# Altium PCB pcb.PcbDoc
Units mm, origin at the board's own origin, x right, y up, seen from the top; angles counter-clockwise.
Board outline 100 x 60 mm, 2 copper layers (Top Layer, Bottom Layer), stack 1.58 mm thick; 56 components, 31 nets, 148 pads, 75 vias.
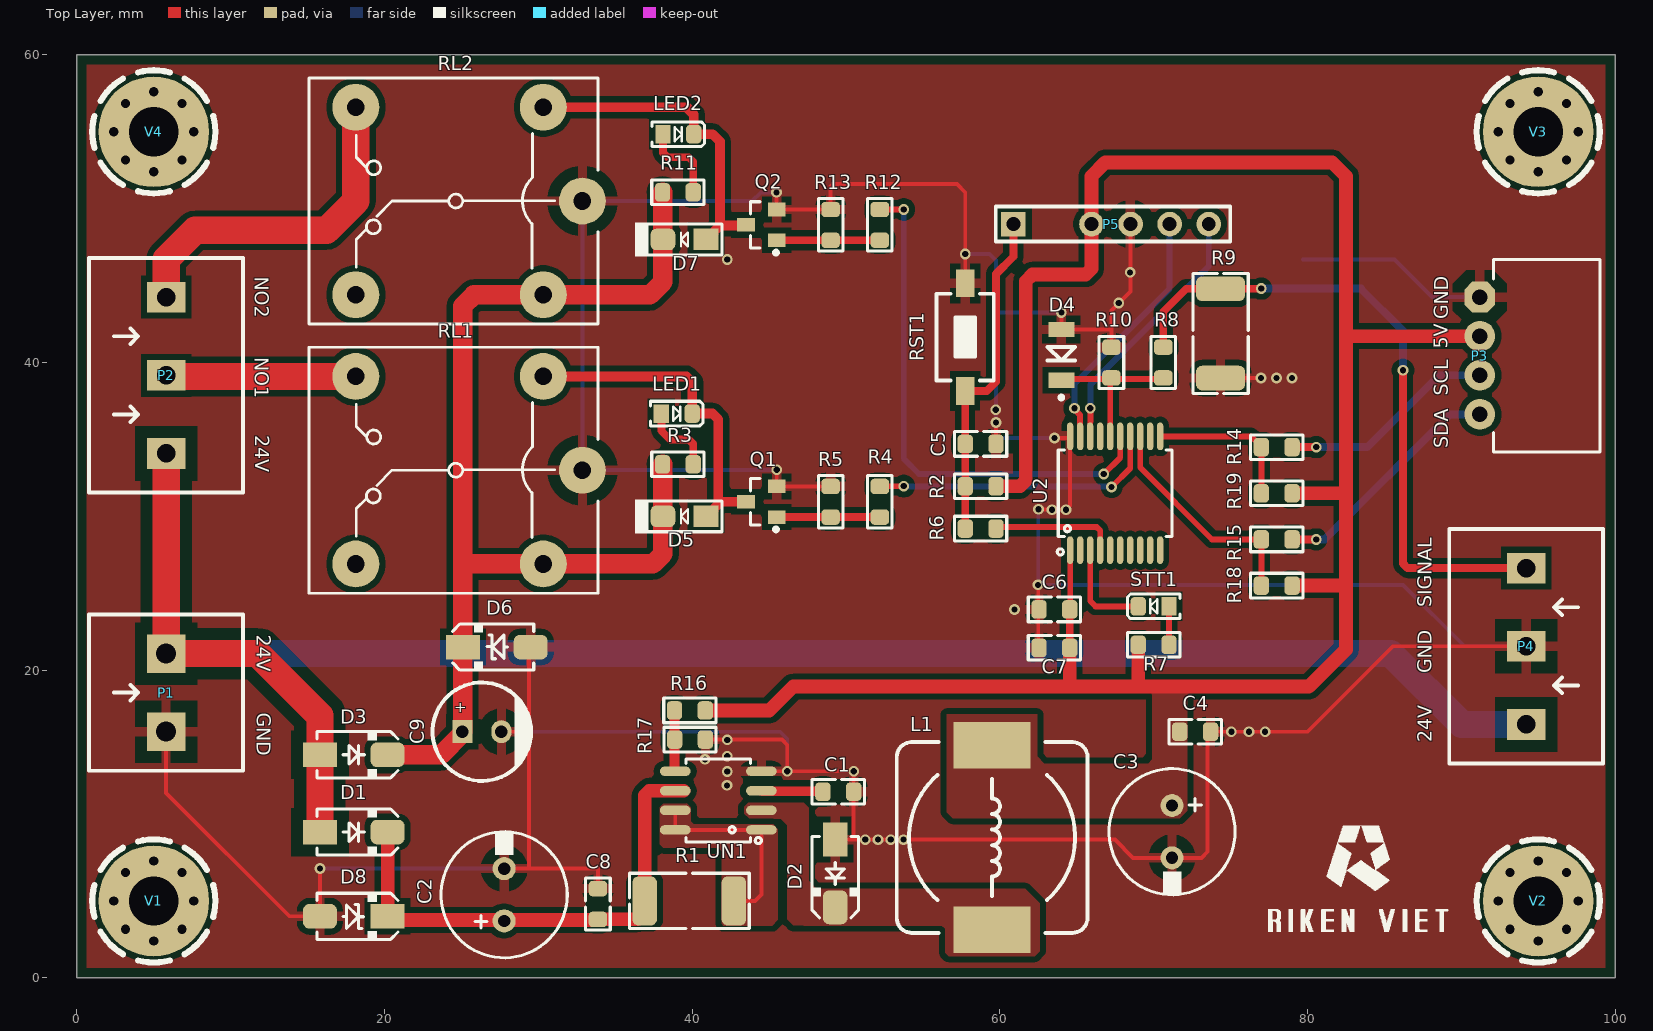
[diagram p0: Top Layer view]
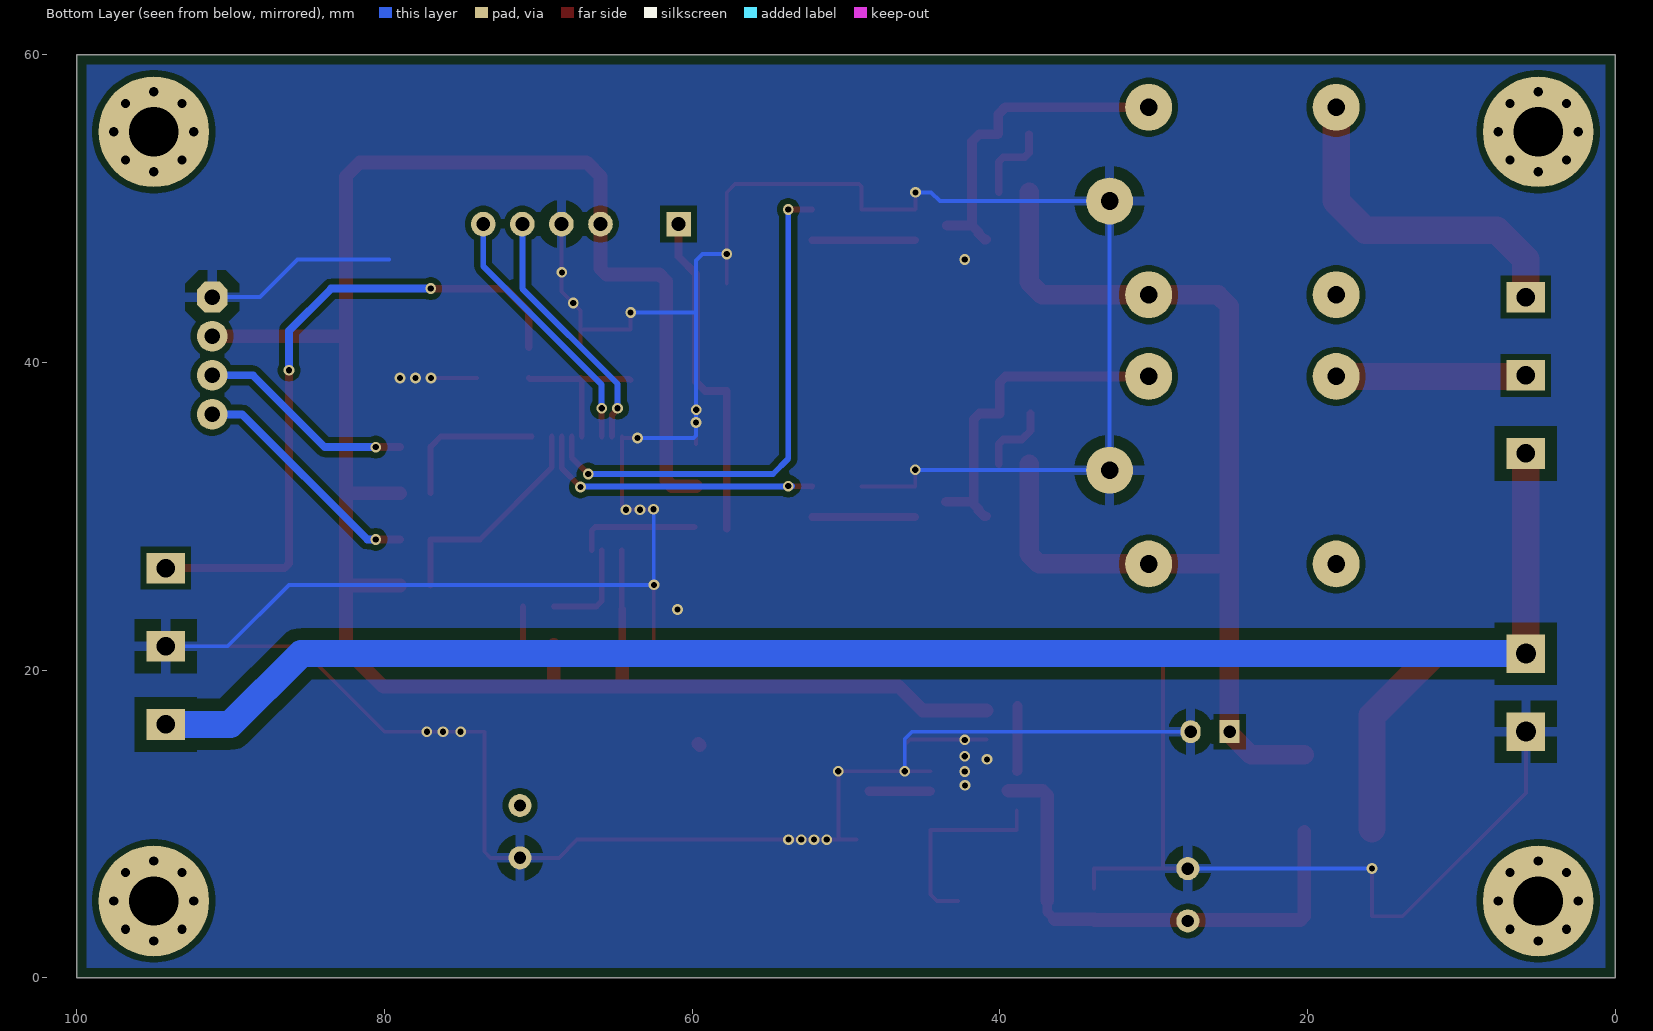
[diagram p1: Bottom Layer view, seen from below]
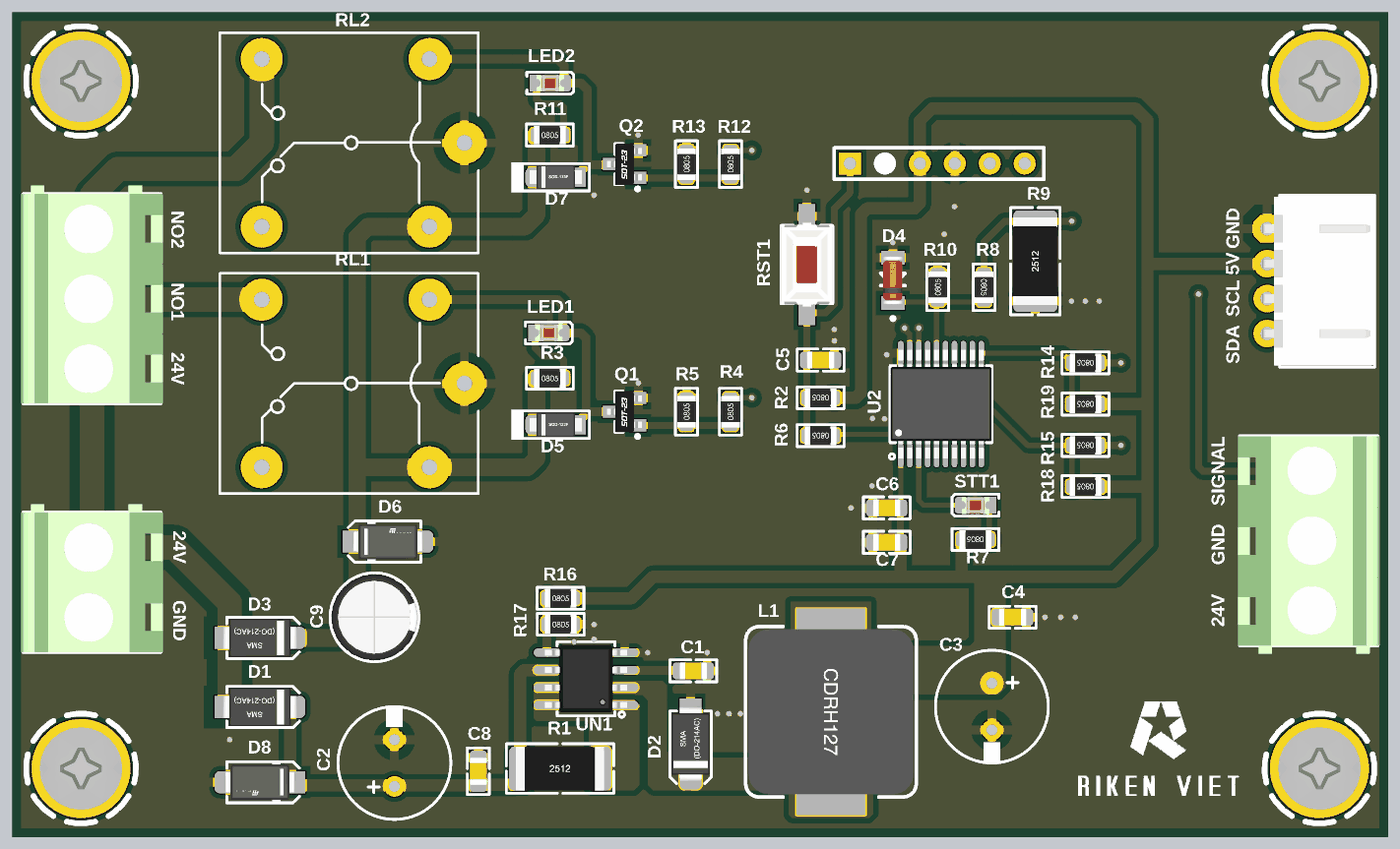
[diagram p2: 3D render of the assembled board from above, using the file's embedded part models]

## Layer stack, top to bottom
Top Solder: solder mask 0.01, Solder Resist, Dk 3.5
Top Layer: signal copper 0.035
Dielectric 1: dielectric 1.51, FR-4, Dk 4.8
Bottom Layer: signal copper 0.035
Bottom Solder: solder mask 0.01, Solder Resist, Dk 3.5

## Board outline
0,0 100,0 100,60 0,60

## Design rules (kind name [scope] priority, off if disabled: settings)
Clearance 24V-ALL [InNet('+24')] p1: gap=0.254 ignorepadtopadclearanceinfootprint=TRUE except(0.635: Track-Track Track-SMDPad; 0.762: Arc-Poly Track-Poly SMDPad-Poly THPad-Poly Via-Poly Fill-Poly Poly-Poly)
Clearance All-All [All] p2: gap=0.254 ignorepadtopadclearanceinfootprint=TRUE except(0.381: Arc-Poly Track-Poly SMDPad-Poly THPad-Poly Via-Poly Fill-Poly Poly-Poly)
Height [All] p1: minheight=0 maxheight=40 prefheight=12.7
HoleSize [All] p1: absolutevalues=TRUE maxlimit=6 minlimit=0.1 maxpercent=80.000 minpercent=20.000
MinimumSolderMaskSliver [All] p1: minsoldermaskwidth=0.025
PlaneConnect [All] p1: planeconnectstyle=Relief reliefexpansion=0.508 reliefentries=4 reliefconductorwidth=0.889 reliefairgap=0.254
PolygonConnect [All] p1: thpad.connectstyle=Relief thpad.reliefconductorwidth=0.635 thpad.reliefentries=4 thpad.polygonreliefangle="90 Angle" thpad.airgapwidth=0.762 smdpad.connectstyle=Relief smdpad.reliefconductorwidth=0.635 smdpad.reliefentries=4 smdpad.polygonreliefangle="90 Angle" smdpad.airgapwidth=0.381 via.connectstyle=Relief via.reliefconductorwidth=0.635 via.reliefentries=4 via.polygonreliefangle="90 Angle" via.airgapwidth=0.381
RoutingVias [All] p1: holewidth=0.4 width=0.7 viastyle="Through Hole" minholewidth=0.3 minwidth=0.6 maxholewidth=1 maxwidth=2.5
SilkToSilkClearance [All] p1: silktosilkclearance=0.025
SilkToSolderMaskClearance [IsPad] p1: minsilkscreentomaskgap=0 clearancetoexposedcopper=TRUE
SolderMaskExpansion [All] p1: expansion=0.102 istentingtop=FALSE
SupplyNets "Schematic Supply Nets_3" [InNet('+24RL')] p1: voltage=0.000
SupplyNets "Schematic Supply Nets_2" [InNet('+24')] p2: voltage=0.000
SupplyNets "Schematic Supply Nets_1" [InNet('GND')] p3: voltage=0.000
SupplyNets "Schematic Supply Nets" [InNet('+5')] p4: voltage=0.000
UnRoutedNet [All] p1: checkbadconnections=TRUE
Width [All] p1: maxlimit=2.54 minlimit=0.254 preferedwidth=0.508
23 further rules are at their usual default settings.

## Components (designator, comment, footprint, x,y, rotation, side; value= is the part's Value field where it differs from the comment)
C1 "470pF/50V" C_0805_SMD 49.5,12.099 r180 top
C2 "100uF/50V" C_8X12 27.776,5.4 r90 top
C3 "100uF/50V" C_8X12 71.195,9.5 r270 top
C4 "104" C_0805_SMD 72.7,16 r180 top
C5 "104" C_0805_SMD 58.75,34.706 r180 top
C6 "10uF/50V" C_0805_SMD 63.55,23.95 r0 top
C7 "104" C_0805_SMD 63.55,21.45 r0 top
C8 "104" C_0805_SMD 33.875,4.8 r270 top
C9 "100uF/35V" C_6.3x12 26.327,16 r0 top
D1 "SS210" D_SMA 18,9.475 r0 top
D2 "SS210" D_SMA 49.3,6.782 r270 top
D3 "SS34" D_SMA 18,14.5 r0 top
D4 "ZMM4V7" SOD80C_MFG 64,40.5 r90 top
D5 "1N4007" DIODE_SOD123-FL 39.5,30 r0 top
D6 "SMAJ24A" DO_241AC_SMA_MFG 27.3,21.5 r0 top
D7 "1N4007" DIODE_SOD123-FL 39.5,48 r0 top
D8 "SMAJ24A" DO_241AC_SMA_MFG 18,4 r180 top
L1 "220uH" CDRH127 59.5,9.124 r270 top
LED1 "LED RED" "LED 0805 Red" 39,36.681 r0 top
LED2 "LED RED" "LED 0805 Red" 39.1,54.845 r0 top
P1 "KF128 2P" "KF128 5.08 2P" 5.8,18.54 r270 top
P2 "KF128 3P" "KF128 5.08 3P" 5.8,39.17 r270 top
P3 "XH2.54 4P" XH2.54_4P_RA 91.204,40.442 r270 top
P4 "KF128 3P" "KF128 5.08 3P" 94.218,21.553 r90 top
P5 "HDR 6 Male" "Header Code Pic 2.54 6P" 67.23,49 r0 top
Q1 "S8050" "SOT23_N NXP" 44.5,30.95 r180 top
Q2 "S8050" "SOT23_N NXP" 44.5,48.95 r180 top
R1 "0.33R/1W" RES-SMD-2512 39.812,5 r0 top
R2 "10K" RES-SMD-0805 58.75,31.956 r180 top
R3 "10K" RES-SMD-0805 39.072,33.387 r0 top
R4 "2.2k" RES-SMD-0805 52.2,30.95 r90 top
R5 "10K" RES-SMD-0805 49,30.95 r90 top
R6 "330R" RES-SMD-0805 58.75,29.206 r180 top
R7 "2.2k" RES-SMD-0805 70,21.65 r180 top
R8 "51k" RES-SMD-0805 70.628,40 r270 top
R9 "1K" RES-SMD-2512 74.35,41.893 r90 top
R10 "15K" RES-SMD-0805 67.256,40 r90 top
R11 "10K" RES-SMD-0805 39.072,51.072 r0 top
R12 "2.2k" RES-SMD-0805 52.2,48.95 r90 top
R13 "10K" RES-SMD-0805 49,48.95 r90 top
R14 "330R" RES-SMD-0805 78,34.5 r180 top
R15 "330R" RES-SMD-0805 78,28.5 r180 top
R16 "3k" RES-SMD-0805 39.85,17.381 r0 top
R17 "1k" RES-SMD-0805 39.862,15.49 r0 top
R18 "10K" RES-SMD-0805 78,25.5 r180 top
R19 "10K" RES-SMD-0805 78,31.5 r180 top
RL1 "Relay 10A/24V" "Relay 5 pin 10A" 25.5,33 r0 top
RL2 "Relay 10A/24V" "Relay 5 pin 10A" 25.5,50.5 r0 top
RST1 "SW-SMD" "SW-SMD 3x6 mm" 57.75,41.65 r90 top
STT1 "LED RED" "LED 0805 Red" 70,24.15 r180 top
U2 "PIC16F18346-I/SS" SOG65_20_W 67.5,31.5 r90 top
UN1 "MC34063ADR" SO_8 41.7,11.524 r180 top
V1 "Vit m3" "Screw M3x5 - Via" 5,5 r0 top
V2 "Vit m3" "Screw M3x5 - Via" 95,5 r0 top
V3 "Vit m3" "Screw M3x5 - Via" 95,55 r0 top
V4 "Vit m3" "Screw M3x5 - Via" 5,55 r0 top

## Footprints (in the part's own frame and the unit in brackets; to place one, negate y for a bottom-side part, rotate by r counter-clockwise, add the part's x,y. Pads: shape width x height; smd on the part's side, far side on the other; paste and mask are expansions set on the pad)
C_6.3x12 [mm] "pitch 2.5mm"
  rect 1.3x1.5 hole 0.8: 1(-1.27,0)
  oval 1.3x1.5 hole 0.8: 2(1.27,0)
  silkscreen extent -3.2,-3.2 3.2,3.2, body extent -3.15,-3.15 3.15,3.15, height 12.05
C_8X12 [mm] "Cap Elec, D8.0X12.0H pitch: 3.5mm, RB.14/.26, RB.15/.32"
  round 1.5 hole 0.8: 1(-1.7,0) 2(1.7,0)
  silkscreen extent -4.1,-4.1 4.1,4.1, body extent -3.99,-3.99 4,3.99, height 12.3
C_0805_SMD [mm]
  rrect50% 1x1.2 smd: 1(-1,0) 2(1,0)
  Top Layer pour cut-out: -0.5,0.8 0.5,0.8 0.5,-0.8 -0.5,-0.8
  silkscreen extent -1.7,-0.8 1.7,0.8, body extent -1,-0.63 1,0.62, height 1
CDRH127 [mm] "12*12*8mm"
  rect 3x5 smd: 1(-6,0) 2(6,0)
  silkscreen extent -6.2,-6.2 6.2,6.2, body extent -6,-6 6,6, height 7.8
D_SMA [mm] "SMA Molded Diode, 2-Leads, Body 4.3x2.7mm, SOD-128"
  rect 2.2x1.6 smd: 1(-2.2,0)
  rrect50% 2.2x1.6 smd: 2(2.2,0)
  silkscreen extent -2.4,-1.5 2.88,1.5, body extent -2.75,-1.4 2.75,1.4, height 2.6
DIODE_SOD123-FL [mm] "Molded Diode, 2-Leads, Body 4.3x2.7mm, SOD-128"
  rect 1.6x1.4 smd: A(1.4,0)
  rrect50% 1.6x1.4 smd: K(-1.4,0)
  silkscreen extent -3.23,-1.1 2.45,1.1, body extent -1.9,-0.9 1.9,0.9, height 1.02
DO_241AC_SMA_MFG [mm]
  rect 2.2x1.6 smd: 1(-2.2,0)
  rrect50% 2.2x1.6 smd: 2(2.2,0)
  silkscreen extent -2.88,-1.5 2.4,1.5, body extent -2.54,-1.29 2.54,1.29, height 2.65
"Header Code Pic 2.54 6P" [mm]
  rect 1.6x1.6 hole 0.9: 1(-6.35,0)
  round 1.6 on Top Overlay: 2(-3.81,0)
  round 1.6 hole 0.9: 3(-1.27,0) 4(1.27,0) 5(3.81,0) 6(6.35,0)
  silkscreen extent -7.49,-1.14 7.75,1.14
"KF128 5.08 2P" [mm]
  rect 2.5x2.5 hole 1.3: 1(-2.54,0) 2(2.54,0)
  silkscreen extent -5.08,-5 5.08,5, body extent -5.68,-5.15 5.08,5.15, height 14.16
"KF128 5.08 3P" [mm]
  rect 2x2.5 hole 1.2: 1(-5.08,0) 2(0,0) 3(5.08,0)
  silkscreen extent -7.62,-5 7.62,5, body extent -8.22,-5.15 7.62,5.15, height 14.16
"LED 0805 Red" [mm]
  rect 1x1.2 smd: 1(-1,0)
  rrect50% 1x1.2 smd: 2(1,0)
  silkscreen extent -1.7,-0.8 1.7,0.8, body extent -1,-0.63 1,0.63, height 0.9
"Relay 5 pin 10A" [mil] "Relay SPDT, 5 pin, 10A,W 650mil, L 800mil, H 800mil"
  round 120 hole 45: 1(290,0) 2(-290,-240) 3(-290,240) 4(190,240) 5(190,-240)
  silkscreen extent -410,-315 330,315, body extent -414,-295 334,295, height 595
RES-SMD-0805 [mm]
  rrect50% 1x1.2 smd paste-0.1 mask+0.075: 1(-1,0) 2(1,0)
  Top Layer pour cut-out: -0.5,0.697 0.5,0.697 0.5,-0.713 -0.5,-0.713
  silkscreen extent -1.7,-0.8 1.7,0.8, body extent -1.15,-0.67 1.15,0.67, height 0.76
RES-SMD-2512 [mm] "Chip Capacitor, Body 3.2x2.5mm, IPC Medium Density"
  rrect50% 1.6x3.2 smd: 1(-2.9,0) 2(2.9,0)
  silkscreen extent -3.9,-1.8 3.9,1.8, body extent -3.2,-1.6 3.2,1.6, height 0.6
"Screw M3x5 - Via" [mm] "Hole 3.0mm"
  round 7.2 hole 3.2 mask+0.1: 1(0,0)
  Top Layer pour cut-out: 0,-4 -1.531,-3.696 -2.828,-2.828 -3.696,-1.531 -4,0 -4,0 -3.696,1.531 -2.828,2.828 -1.531,3.696 0,4 0,4 1.531,3.696 2.828,2.828 3.696,1.531 4,0 4,0 3.696,-1.531 2.828,-2.828 1.531,-3.696 0,-4
  Bottom Layer pour cut-out: 0,-4 -1.531,-3.696 -2.828,-2.828 -3.696,-1.531 -4,0 -4,0 -3.696,1.531 -2.828,2.828 -1.531,3.696 0,4 0,4 1.531,3.696 2.828,2.828 3.696,1.531 4,0 4,0 3.696,-1.531 2.828,-2.828 1.531,-3.696 0,-4
  silkscreen extent -4,-4 4,4, body extent -3,-3 3,3, height 2.53
SO_8 [mm] "SOP-8, 5x3.9mm body 1.27mm pitch, SOT96-1, M08A, S8, SOIC8, VO8, MS-012AA(JEDEC), R-8, 8S2, VOG8"
  oval 2x0.6 smd: 1(-2.8,1.905) 2(-2.8,0.635) 3(-2.8,-0.635) 4(-2.8,-1.905) 5(2.8,-1.905) 6(2.8,-0.635) 7(2.8,0.635) 8(2.8,1.905)
  silkscreen extent -2.8,-2.7 2.1,2.8, body extent -3,-2.45 3,2.45, height 1.7
SOD80C_MFG [mm]
  rect 1x1.7 smd: 1(-1.65,0) 2(1.65,0)
  silkscreen extent -2.9,-0.89 0.51,0.89, body extent -1.75,-0.8 1.75,0.8, height 1.6
SOG65_20_W [mm] "SSOP20, TSSOP20, RU-20, RQ-20, DB, pitch: 0.65mm, 7X5.3mm, QSP, SOT339-1, SOT266-1, AT-260, TSSO6X6-G20, NP20, MO-153AC, MO-150AE, MO-137-AD, MO-152"
  oval 1.8x0.4 smd mask+0.075: 1(-3.7,2.925) 2(-3.7,2.275) 3(-3.7,1.625) 4(-3.7,0.975) 5(-3.7,0.325) 6(-3.7,-0.325) 7(-3.7,-0.975) 8(-3.7,-1.625) 9(-3.7,-2.275) 10(-3.7,-2.925) 11(3.7,-2.925) 12(3.7,-2.275) 13(3.7,-1.625) 14(3.7,-0.975) 15(3.7,-0.325) 16(3.7,0.325) 17(3.7,0.975) 18(3.7,1.625) 19(3.7,2.275) 20(3.7,2.925)
  silkscreen extent -4.01,-3.7 2.8,3.77, body extent -3.95,-3.66 3.95,3.67, height 1.98
"SOT23_N NXP" [mil] "SOT23, 3-Leads, Body 3x1.4mm, Pitch 0.95mm, IPC Medium Density"
  rect 45x35 smd: 1(-39.37,39.37) 2(-39.37,-39.37) 3(39.37,0)
  silkscreen extent -42,-59 28,76, body extent -50,-59 50,59, height 39
"SW-SMD 3x6 mm" [mm] "Switch SMD type"
  rect 1.8x1.2 smd: 1(-3.5,0) 2(3.5,0)
  silkscreen extent -2.82,-1.85 2.82,1.85, body extent -3.05,-1.85 3.05,1.85, height 2.5
XH2.54_4P_RA [mm]
  oct 2x2 hole 1: 1(-3.81,0)
  round 2 hole 1: 2(-1.27,0) 3(1.27,0) 4(3.81,0)
  silkscreen extent -6.25,0.9 6.25,7.8, body extent -6.15,-0.34 6.15,7.7, height 5.84

## Part data
C1: library part "Cap 0805 470pF 50V", "Cap SMD 0805  470pF 50V", Code=1438-056
C2 C3: library part "Cap Pol 100uF/50V", "Polarized Capacitor (Axial) 100uF 50V", Code=N/A
C4 C5 C7 C8: library part "Cap 0805 104 100nF", "Cap SMD 0805 104-100nF-0.1uF 50V", Code=1438-080
C6: library part "Cap 0805 10uF 50V", "Cap SMD 0805 10uF 50V", Code=1438-100
C9: library part "Cap Pol 100uF/35V", "Polarized Capacitor (Axial) 100uF 35V", Code=1402-225
D1 D2: library part SS210-SMA, "Surface-Mount Schottky Barrier Rectifier", Code=2005-026
D3: library part SS34-SMA, "Surface-Mount Schottky Barrier Rectifier", Code=2005-008
D4: library part "ZMM4V7 Diode Zener", "zener 4.7V 500mW SMD", Code=2003-015, Designed by=Nhox
D5 D7: library part 1n4007W-A7-SOD-123FL, "Rectifier diode 1n4007-A7 SOD-123FL", Code=2001-069, Designed by=TranLuyen
D6 D8: library part "TVS SMAJ24A-DO241AC", "SMAJ Series 400W Surface Mount Uni-Directional TVS Diode - DO-214AC", Code=N/A, Designed by=TranLuyen
L1: library part "IND 1280-221 220uH 1.9A", "CDRH127 size 12 x 12 x 8mm", Code=1523-011, Designed by=TranLuyen
LED1 LED2 STT1: library part "LED 0805 RED", "LED 0805 SMD RED", Code=8600-017, Designed by=TranLuyen
P1: library part KF128-5.08-2P-5.08mm, "Header, 2-Pin, Medium KF128 2P-5.08mm", Code=3520-013, ComponentLink1 Description=Manufacturer, ComponentLink1URL=http://www.we-online.com, ComponentLink2 Description=Datasheet, ComponentLink2URL=http://katalog.we-online.de/em/datasheet/6911031100xx.pdf, Designed by=TranLuyen
P2 P4: library part KF128-5.08-3P-5.08mm, "Header, 3-Pin, Medium KF128 3P-5.08mm", Code=3520-014, Designed by=TranLuyen
P3: library part XH2.54_4P_RA, "XH2.54 RA", Code=3509-012
P5: library part "Header Code PIC", "Header 6-5Pin", Code=NULL
Q1 Q2: library part "S8050 SOT-23", "J3Y-NPN SMD Transistor SOT23", Code=1701-070
R1: library part "Res 0.33R 2512 1W", "Resistor SMD 2512 1W", Code=1032-007
R2 R3 R5 R11 R13 R18 R19: library part "Res 10k 0805", "Resistor SMD 0805", Code=1024-111
R4 R7 R12: library part "Res 2.2K 0805", "Resistor SMD 0805", Code=1024-094
R6 R14 R15: library part "Res 330R 0805", "Resistor SMD 0805", Code=1024-074
R8: library part "Res 51K 0805", "Resistor SMD 0805", Code=1025-127
R9: library part "Res 1K 2512", "RES 2512 1W", Code=1032-086
R10: library part "Res 15K 0805", "Resistor SMD 0805", Code=1024-116
R16: library part "Res 3k 0805", "Resistor SMD 0805", Code=1024-098, Designed by=TranLuyen
R17: library part "Res 1k 0805", "Resistor SMD 0805", Code=1024-086
RL1 RL2: library part "Relay 24V 5 Pin 10A SLC", "Relay SPDT,10A - 24VDC 5 Pin SONGLE SLC", Code=2404-012
RST1: library part "SW2 SMD 3x6", "Button 3x6 mm x 2.5mm 2Pin SMD", Code=3606-006
U2: "IC MCU 8BIT 28KB FLASH 20SSOP", Code=N/A
UN1: "MC3x063A 1.5-A Peak Boost/Buck/Inverting Switching Regulators", Code=5015-078, ComponentLink1Description=Datasheet, ComponentLink1URL=http://www.ti.com/lit/ds/symlink/mc33063a.pdf?src-supplier=Digi-Key, Designed by=TranLuyen
V1 V2 V3 V4: library part "Screw Vit m3", "Screw Vit m3", Code=N/A

## Via types
v1: diameter 0.7, hole 0.4, Top Layer to Bottom Layer, tented both sides, 43 vias
v2: diameter 1.1, hole 0.6, Top Layer to Bottom Layer, tented both sides, 32 vias

## Nets (pads, with @x,y where several pads share a name; then routed paths per layer and width w, separated by ;. In a path a pad name is that pad's centre, name@x,y a point inside that pad or via, vN(x,y) a via of type N, cw(c..) or ccw(c..) an arc to the next point about the centre after c; other vN are vias at no path point)
4-20mA: P4.3 R8.1 R9.2 | length 42.9
  Top Layer w0.508: R8.1 70.628,43.303 72.118,44.793 R9.2 74.356,44.799 76.994,44.799 v1(77,44.806) ; v1(86.209,39.5) 86.209,26.931 86.507,26.633 P4.3
  Bottom Layer w0.508: v1(77,44.806) 83.472,44.806 86.209,42.068 v1(86.209,39.5)
+5: C3.1 C4.2 C6.2 C7.2 L1.1 P3.2 P5.3 R2.1 R7.2 R16.2 R18.1 R19.1 U2.1 | length 144.5
  Top Layer w0.381: C6.2 64.575,23.975 U2.1
  Top Layer w0.508: C7.2 C6.2
  Top Layer w0.889: R16.2 45.011,17.381 46.569,18.94 64.55,18.94 ; L1.1 L1.1@59.596,15.22 ; R2.1 61.308,31.956 61.68,32.328 61.68,45.283 62.123,45.726 65.588,45.726 65.96,46.098 P5.3 65.96,52.116 66.844,53 81.616,53 82.5,52.116 82.5,41.65 ; C7.2 64.55,18.94 ; R7.2 69,18.94 ; R18.1 82.492,25.5 82.5,25.508 ; R19.1 82.499,31.5 82.5,31.499 ; P3.2 82.562,41.712 82.5,41.65 ; 64.55,18.94 69,18.94 ; 69,18.94 80.093,18.94 82.5,21.347 82.5,25.508 ; 82.5,25.508 82.5,31.499 ; 82.5,31.499 82.5,41.65
+24: D1.1 D3.1 P1.1 P2.3 P4.1 | length 122.4
  Top Layer w1.778: P2.3 P1.1 11.769,21.08 15.8,17.049 D3.1 D1.1@15.8,9.69
  Bottom Layer w1.778: P1.1 85.42,21.08 90.027,16.473 P4.1
+24RL: C9.1 D3.2 D5.K D6.1 D7.K R3.1 R11.1 RL1.5 RL2.5 | length 71.9
  Top Layer w1.27: D3.2 23.657,14.5 25.057,15.9 C9.1 25.072,16.015 25.072,21.472 D6.1 ; D6.1@25.072,21.5 25.072,26.904 ; R3.1 38.1,33.36 D5.K 38.1,27.554 37.45,26.904 RL1.5 25.072,26.904 ; R11.1 38.1,51.044 D7.K 38.1,45.25 37.254,44.404 RL2.5 25.816,44.404 25.072,43.66 25.072,26.904
adc: D4.1 R8.2 R10.1 U2.16 | length 10.5
  Top Layer w0.381: D4.1 64.075,38.925 R10.1@67.181,38.925 ; U2.16 67.175,38.919 R10.1@67.181,38.925 ; R10.1 R10.1@67.181,38.925 ; R8.2 70.553,38.925 R10.1@67.181,38.925
GND: C1.1 C2.2 C3.2 C4.1 C5.1 C6.1 C7.1 C8.1 C9.2 D2.1 D4.2 D6.2 D8.2 P1.2 P3.1 P4.2 P5.4 Q1.2 Q2.2 R5.2 R9.1 R10.2 R13.2 R17.2 RL1.1 RL2.1 RST1.2 U2.20 UN1.4 | length 319.9
  Top Layer w0.254: P1.2 5.8,12.017 13.817,4 D8.2 v1(15.8,7.1) ; C2.2 29.3,7.1 ; C9.2@28.097,16 29.4,16 ; D6.2 29.4,21.4 29.4,16 ; C8.1 33.875,7.1 29.4,7.1 29.4,16 ; R17.2 45.839,15.49 46.181,15.148 v1(46.181,13.429) ; UN1.4 v1(46.181,13.429) ; v1(45.484,51.064) 45.484,49.966 45.5,49.95 R13.2 49,51.45 49.149,51.599 57.215,51.599 57.75,51.064 RST1.2 ; v1(45.5,33.032) Q1.2 R5.2 ; D2.1 50.351,8.982 ; C5.1 v1(59.75,36.1) ; v1@62.5,25.508 62.5,21.45 C7.1@62.516,21.434 ; v1@62.507,30.45 64.325,30.45 64.575,30.7 U2.20@64.575,35.167 ; v1(63.55,35.1) 64.508,35.1 U2.20@64.575,35.167 ; v1(64,43.25) D4.2 67.256,42.15 ; U2.20 U2.20@64.575,35.167 ; R10.2 67.256,42.15 ; P5.4 68.5,44.624 67.256,43.38 67.256,42.15 ; R9.1@74,39 v1@77,39 ; P4.2 85.553,21.553 80,16 73.5,16 73.5,8.199 73.101,7.8 C3.2 68.666,7.8 67.484,8.982 v1(53.743,8.982) v1(52.914,8.982) v1(52.085,8.982) v1(51.256,8.982) 50.351,8.982 ; v1(46.181,13.429) v1(50.5,13.429) C1.1 50.5,9.131 50.351,8.982
  Bottom Layer w0.254: v1(15.8,7.1) C2.2 ; C9.2 45.706,16 46.181,15.525 v1(46.181,13.429) ; v1(45.484,51.064) 44.461,51.064 43.897,50.5 RL2.1 RL1.1 32.882,33.016 45.484,33.016 v1(45.5,33.032) ; v1(57.757,47.062) 59.316,47.062 59.75,46.628 59.75,43.25 ; v1(62.514,30.457) 62.498,30.441 62.498,25.564 v1(62.482,25.548) 86.209,25.548 90.204,21.553 P4.2 ; v1(63.55,35.1) 59.899,35.1 59.75,35.249 v1(59.75,36.1) 59.744,36.107 59.744,36.928 v1(59.737,36.934) 59.75,36.947 59.75,43.25 ; v1(64,43.25) 59.75,43.25 ; 79.7,46.692 85.667,46.692 88.107,44.252 P3.1
  other v1: 42.256,12.512 42.284,13.418 40.834,14.204 42.284,14.403 42.284,15.47 75.051,16 76.197,16 77.25,16 60.959,23.95 63.388,30.43 64.297,30.43 76.972,38.991 77.986,38.991 79,38.991 67.73,43.862 68.472,45.863 42.284,46.692
NetC1_2: C1.2 UN1.3 | length 4
  Top Layer w0.254: UN1.3 UN1.3@44.53,12.129 ; C1.2@48.47,12.129 C1.2
  Top Layer w0.635: UN1.3@44.53,12.129 C1.2@48.47,12.129
NetC2_1: C2.1 C8.2 D1.2 D8.1 R1.1 UN1.6 | length 32.7
  Top Layer w0.635: D8.1 D8.1@20.436,3.764 ; R1.1@36.436,3.8 36.912,4.276 R1.1
  Top Layer w0.889: D8.1 D1.2 ; D8.1@20.436,3.764 26.044,3.764 C8.2@33.839,3.764 ; C8.2 R1.1@36.436,3.8 ; R1.1 36.912,11.858 37.213,12.159 UN1.6 UN1.6@39.433,12.159
NetD2_2: D2.2 L1.2 UN1.2
NetD5_A: D5.A LED1.2 Q1.3 RL1.4 | length 22.3
  Top Layer w0.635: RL1.4 39.628,39.096 40,38.724 LED1.2 41.328,36.681 41.7,36.309 41.7,30.8 ; D5.A 41,30 41.382,30.383 41.382,30.483 41.7,30.8 ; Q1.3 41.85,30.95 41.7,30.8
NetD7_A: D7.A LED2.2 Q2.3 RL2.4 | length 21.6
  Top Layer w0.635: RL2.4 39.646,56.596 40.1,56.142 LED2.2 41.328,54.845 41.807,54.366 41.807,48.907 ; D7.A 41,48 41.383,48.383 41.383,48.483 41.807,48.907 ; Q2.3@43.457,48.907 41.807,48.907
NetLED1_1: LED1.1 R3.2 | length 4.9
  Top Layer w0.508: LED1.1 38,35.572 38.571,35.001 39.775,35.001 40.073,34.703 R3.2
NetLED2_1: LED2.1 R11.2 | length 5.4
  Top Layer w0.508: LED2.1 38.1,53.642 38.398,53.345 39.775,53.345 40.073,53.047 R11.2
NetP3_3: P3.3 R14.1 | length 14.1
  Top Layer w0.508: R14.1 v1(80.57,34.5)
  Bottom Layer w0.508: v1(80.57,34.5) 83.884,34.5 88.557,39.172 P3.3
NetP3_4: P3.4 R15.1 | length 15.6
  Top Layer w0.508: R15.1 v1(80.57,28.5)
  Bottom Layer w0.508: v1(80.57,28.5) 80.571,28.501 81.125,28.501 89.244,36.62 91.192,36.62 P3.4
NetQ1_1: Q1.1 R4.1 R5.1 | length 6.7
  Top Layer w0.508: Q1.1@45.5,29.95 R4.1
NetQ2_1: Q2.1 R12.1 R13.1 | length 6.7
  Top Layer w0.508: Q2.1@45.5,47.95 R12.1
NetR1_2: R1.2 UN1.1 UN1.7 UN1.8 | length 13
  Top Layer w0.254: UN1.7 UN1.8 UN1.1 44.5,5.406 44.093,5 R1.2
NetR6_1: R6.1 U2.4 | length 8.1
  Top Layer w0.381: R6.1@59.844,29.3 66.302,29.3 66.525,29.077 U2.4
NetR7_1: R7.1 STT1.1 | length 2.5
  Top Layer w0.381: R7.1 STT1.1
NetR16_1: R16.1 R17.1 UN1.5 | length 4.3
  Top Layer w0.635: R16.1@38.85,17.673 R16.1 38.85,13.464 38.867,13.446 38.867,13.429 UN1.5
NetSTT1_2: STT1.2 U2.3 | length 6.6
  Top Layer w0.381: U2.3 65.875,24.5 66.225,24.15 STT1.2
NO1: P2.2 RL1.3 | length 12.3
  Top Layer w1.778: P2.2@5.874,39.096 RL1.3
NO2: P2.1 RL2.3 | length 22.7
  Top Layer w1.778: P2.1 5.8,46.717 7.681,48.597 16.231,48.597 18.134,50.5 RL2.3 RL2.3@18.134,56.838
PGC: P5.6 U2.18 | length 17
  Top Layer w0.381: U2.18 65.879,35.204 65.879,36.165 65.884,36.17 v1(65.884,37.031)
  Bottom Layer w0.381: v1(65.884,37.031) 65.884,38.559 73.58,46.255 P5.6
PGD: P5.5 U2.19 | length 16.5
  Top Layer w0.381: v1(64.85,37.031) 64.85,36.944 65.221,36.573 65.221,35.204 U2.19
  Bottom Layer w0.381: v1(64.85,37.031) 64.85,38.616 71.04,44.806 P5.5
RST: C5.2 P5.1 R2.2 R6.2 RST1.1 | length 21.9
  Top Layer w0.508: R6.2 C5.2 RST1.1 59.15,38.15 59.75,38.75 59.75,45.757 60.88,46.887 P5.1
SCL: R14.2 R19.2 U2.11 | length 9.9
  Top Layer w0.381: U2.11 76.333,35.2 77,34.533 R14.2 R19.2
SDA: R15.2 R18.2 U2.13 | length 14.8
  Top Layer w0.381: U2.13 69.125,33.174 73.799,28.5 R15.2 ; R18.2 R15.2
SIG_OUT1: R4.2 U2.14 | length 19.1
  Top Layer w0.381: R4.2 52.207,31.957 53.743,31.957 v1(53.75,31.964) ; v1(67.263,31.907) 68.475,33.12 U2.14
  Bottom Layer w0.381: v1@53.5,31.964 53.529,31.936 67.234,31.936 v1(67.263,31.907)
SIG_OUT2: R12.2 U2.15 | length 34.1
  Top Layer w0.381: R12.2 v1(53.75,49.95) ; v1(66.76,32.75) 67.825,33.815 U2.15
  Bottom Layer w0.381: v1(53.75,49.95) 53.75,33.75 54.75,32.75 v1(66.76,32.75)
pads on no net: P5.2 RL1.2 RL2.2 U2.2 U2.5 U2.6 U2.7 U2.8 U2.9 U2.10 U2.12 U2.17 V1.1 V2.1 V3.1 V4.1
copper on no net:
  other v2: 5,2.4 95,2.4 3.162,3.162 6.838,3.162 93.162,3.162 96.838,3.162 2.4,5 7.6,5 92.4,5 97.6,5 3.162,6.838 6.838,6.838 93.162,6.838 96.838,6.838 5,7.6 95,7.6 5,52.4 95,52.4 3.162,53.162 6.838,53.162 93.162,53.162 96.838,53.162 2.4,55 7.6,55 92.4,55 97.6,55 3.162,56.838 6.838,56.838 93.162,56.838 96.838,56.838 5,57.6 95,57.6

## Polygon pours and split planes (outlines as drawn)
GND on Top Layer "GND_L01_P011" (solid, pour order 11): 0.247,59.705 99.739,59.705 99.739,0.218 0.247,0.218
+5 on Top Layer "+5_L01_P006" (solid, pour order 6): 72.2,18.407 72.289,18.496 72.313,18.496 72.313,19.384 72.31,19.386 69.734,19.386 69.734,18.495 69.829,18.495 69.916,18.408 69.916,14.216 69.634,13.933 62.891,13.933 62.42,14.403 62.42,17.133 56.552,17.133 56.552,16.714 56.552,10.761 56.951,10.362 71.695,10.362 72.2,10.868
NetD2_2 on Top Layer "NETD2_2_L01_P005" (solid, pour order 5): 46.181,3.8 46.568,3.413 47.264,3.4 56.237,3.4 56.439,3.198 56.439,1.624 56.666,1.397 59.347,1.397 62.255,1.397 62.586,1.727 62.586,4.864 61.65,5.8 48.073,5.8 47.574,6.299 47.574,11.064 47.264,11.374 43.65,11.374 43.395,11.119 43.395,10.895 43.395,10.67 43.709,10.356 45.758,10.356 46.181,9.933
NetR1_2 on Top Layer "NETR1_2_L01_P004" (solid, remove dead copper, pour order 4): 40.1,9.974 39.9,10.174 39.9,10.538 39.9,11.101 39.627,11.374 38.937,11.374 37.975,11.374 37.882,11.282 37.882,9.796 37.882,8.693 38.125,8.45 41.7,8.45 41.912,8.238 41.912,3.517 42.029,3.4 45.212,3.4 45.575,3.763 45.575,9.668 45.269,9.974 41.704,9.974
GND on Bottom Layer "GND_L02_P010" (solid, pour order 10): 0.254,59.741 99.746,59.741 99.746,0.254 0.254,0.254

## Silkscreen, mask and mechanical layers (free items; w line width, h text height)
Top Overlay:
  drawing of 10 lines, arcs and shapes, not listed
  text "NO2" at 11.281,45.567 h1.52 r270
  text "GND" at 89.444,42.805 h1.52 r90
  text "5V" at 89.426,40.896 h1.52 r90
  text "NO1" at 11.281,40.336 h1.52 r270
  text "SCL" at 89.444,37.854 h1.52 r90
  text "24V" at 11.294,35.274 h1.52 r270
  text "SDA" at 89.444,34.425 h1.52 r90
  text "SIGNAL" at 88.372,24.103 h1.52 r90
  text "24V" at 11.409,22.296 h1.52 r270
  text "GND" at 88.372,19.802 h1.52 r90
  text "GND" at 11.412,17.248 h1.52 r270
  text "24V" at 88.359,15.304 h1.52 r90
Mechanical 2:
  the board outline again, w0.15

## Text inside footprints (layer, text, board x,y; h text height)
C9: Top Overlay "+" at 24.533,17.015 h1.2; Mechanical 15 "+" at 24.533,17.015 h1.2